# Altium PCB PA_8CH_CTRL.PcbDoc (part 8 of 11)
Units mil, origin at the board's own origin, x right, y up, seen from the top; angles counter-clockwise.
Board outline 15354.33 x 4330.71 mil, 4 copper layers (Component Side, Signal Layer 1, Power Plane, Solder Side), stack 63.149 mil thick; 907 components, 557 nets, 2683 pads, 1897 vias.
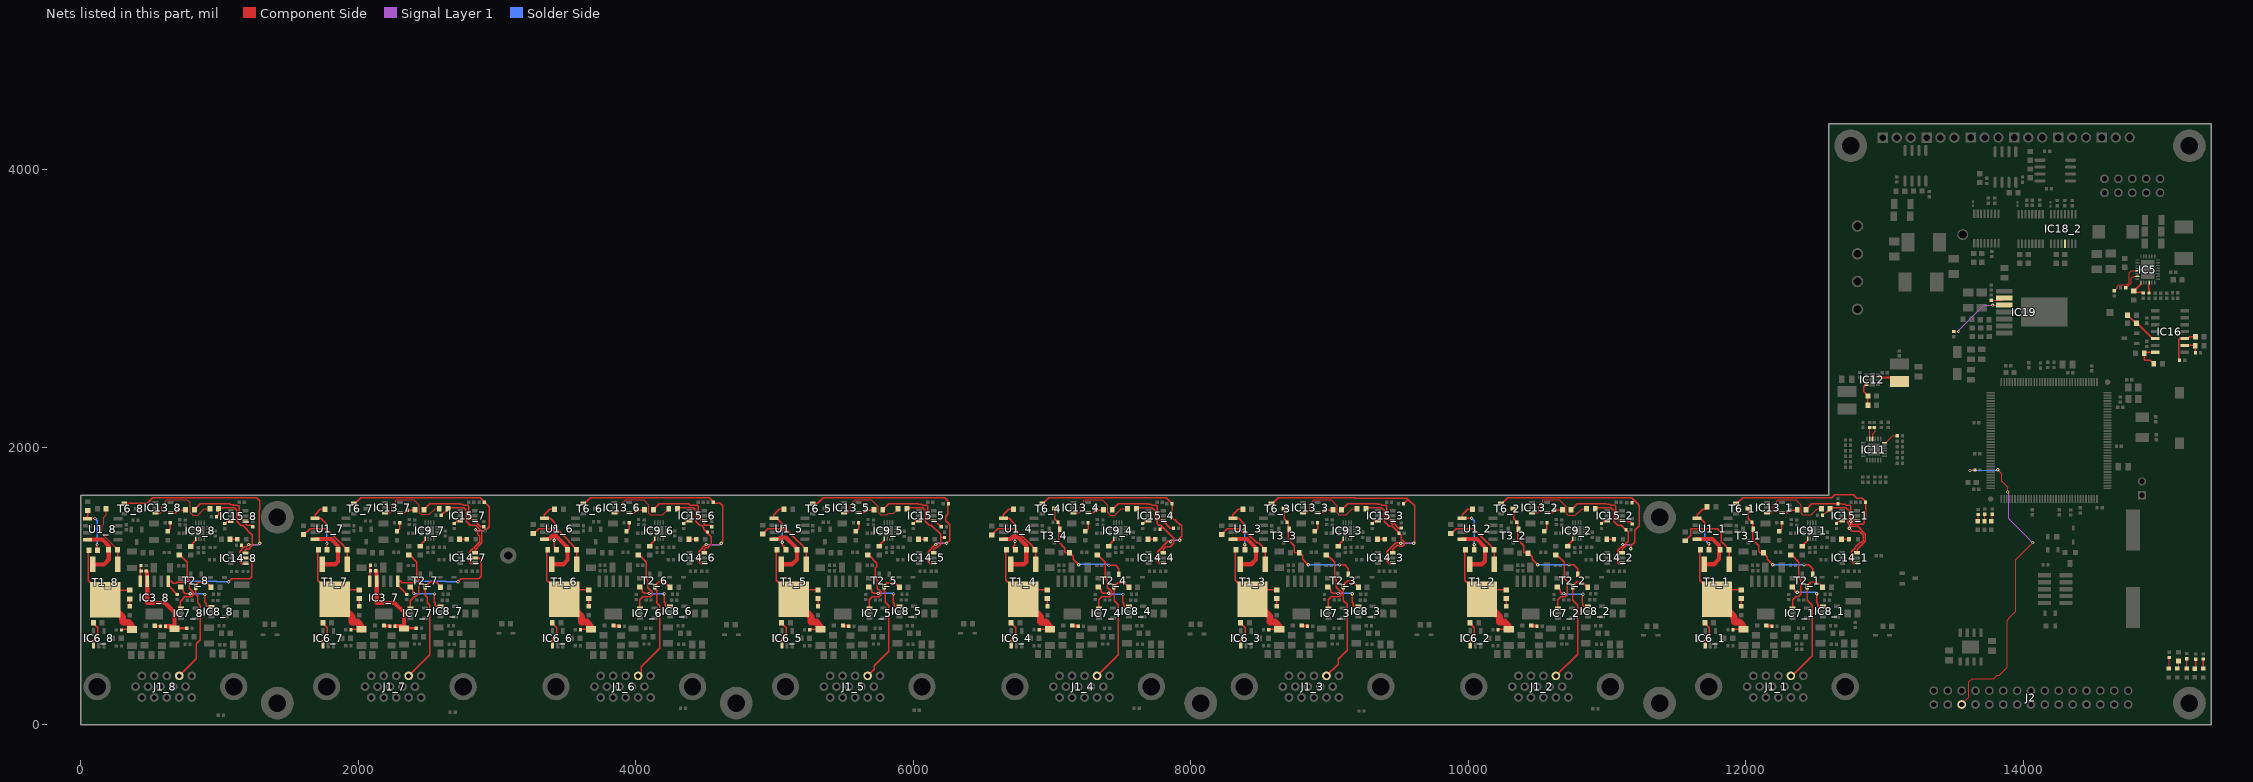
[diagram p10: the nets of this part, all layers, seen from the top]

## Via types
v1: diameter 23.62, hole 11.81, Component Side to Solder Side, tented both sides, 1569 vias
v2: diameter 23.62, hole 11.81, Component Side to Solder Side, 328 vias

## Nets (pads, with @x,y where several pads share a name; then routed paths per layer and width w, separated by ;. In a path a pad name is that pad's centre, name@x,y a point inside that pad or via, vN(x,y) a via of type N, cw(c..) or ccw(c..) an arc to the next point about the centre after c; other vN are vias at no path point) (continued)
NetIC3_7_1: IC3_7.1 IC14_7.5 R51_7.2 | length 918.4
  Component Side w10: R51_7.2@2349.54,940.65 2283.46,1006.72 IC3_7.1@2283.46,1035.67 2304.54,1035.67 2315.02,1025.19 2395.19,1025.19 2405.15,1035.14 v1(2411.54,1035.14) ; v1(2718.54,1032.14) 2740.23,1053.83 2870.15,1053.83 2885.86,1069.53 2885.86,1184.83 2867.54,1203.14 IC14_7.5@2840.69,1203.14
  Solder Side w10: v1@2411.54,1036.14 2630.54,1036.14 2634.54,1032.14 v1(2718.54,1032.14)
NetIC3_7_4: IC3_7.4 R10_7.2 R11_7.1 R39_7.2 R49_7.2 | length 737.7
  Component Side w20: R39_7.2@2329.13,694.13 2332.14,697.14 R49_7.2@2418.04,697.14
  Component Side w30: R10_7.2@2126.18,1110.47 2131.89,1104.76 2131.89,1037.24 IC3_7.4@2133.46,1035.67 2133.46,879.14 2262.54,879.14 2329.13,812.55 R39_7.2@2329.13,694.13 2311.42,711.85 R11_7.1@2264.96,711.85
NetIC3_7_5: IC3_7.5 R10_7.1 R13_7.2 | length 116.1
  Component Side w10: IC3_7.5@2083.46,1035.67 2083.46,1145.12 R13_7.2@2088.19,1149.84
NetIC3_8_1: IC3_8.1 IC14_8.5 R51_8.2 | length 921.6
  Component Side w10: R51_8.2@696,939.5 629.92,1005.58 IC3_8.1@629.92,1034.53 651,1034.53 665.34,1020.19 687.45,1020.19 693.9,1026.64 744.24,1026.64 751.6,1034 v1(758,1034) ; v1(1065,1031) 1086.69,1052.69 1216.61,1052.69 1232.31,1068.39 1232.31,1183.69 1214,1202 IC14_8.5@1187.15,1202
  Solder Side w10: v1@758,1035 977,1035 981,1031 v1(1065,1031)
NetIC3_8_4: IC3_8.4 R10_8.2 R11_8.1 R39_8.2 R49_8.2 | length 737.7
  Component Side w20: R39_8.2@675.59,692.99 678.6,696 R49_8.2@764.5,696
  Component Side w30: R10_8.2@472.64,1109.33 478.35,1103.62 478.35,1036.1 IC3_8.4@479.92,1034.53 479.92,878 609,878 675.59,811.41 R39_8.2@675.59,692.99 657.87,710.71 R11_8.1@611.42,710.71
NetIC3_8_5: IC3_8.5 R10_8.1 R13_8.2 | length 116.1
  Component Side w10: IC3_8.5@429.92,1034.53 429.92,1143.98 R13_8.2@434.65,1148.7
NetIC5_5: IC5.5 R14.1 | length 274.6
  Component Side w6: R14.1@14655.51,3128.74 14675.2,3148.43 14675.2,3161.8 14686.21,3172.81 14747.61,3172.81 14763.78,3188.98 14763.78,3257.96 14778.24,3272.42 14795.48,3272.42 14796.13,3271.76 IC5.5@14822.06,3271.76
NetIC5_7: IC5.7 R18.2 | length 135.6
  Component Side w6: R18.2@14738.36,3151.61 14743.38,3151.61 14778.86,3187.08 14778.86,3218.61 14791.05,3230.8 14795.48,3230.8 14797.08,3232.39 IC5.7@14822.06,3232.39
NetIC5_9: IC5.9 R16.2 R33.2 | length 151.8
  Component Side w10: R33.2@14793.86,3131.1 14806.17,3118.8 14856.31,3118.8 14856.74,3119.23 R16.2@14863.86,3112.11 ; R33.2@14802.86,3132.1 14847.65,3176.89 IC5.9@14847.65,3187.12
NetIC5_12: IC5.12 R19.2 | length 77.9
  Component Side w10: R19.2@14905.86,3112.11 14906.7,3112.95 14906.7,3139.5 14903.57,3142.63 14903.57,3166.61 14906.7,3169.73 IC5.12@14906.7,3187.12
NetIC6_1_1: IC6_1.1 R45_1.1 | length 188.5
  Component Side w10: R45_1.1@11705.12,736.46 11705.12,732.51 11737.17,700.46 11737.17,647.14 11706.77,616.74 IC6_1.1@11706.77,573.82
NetIC6_2_1: IC6_2.1 R45_2.1 | length 188.5
  Component Side w10: R45_2.1@10012.2,736.46 10012.2,732.51 10044.26,700.46 10044.26,647.14 10013.86,616.74 IC6_2.1@10013.86,573.82
NetIC6_3_1: IC6_3.1 R45_3.1 | length 188.5
  Component Side w10: R45_3.1@8358.66,736.46 8358.66,732.51 8390.72,700.46 8390.72,647.14 8360.31,616.74 IC6_3.1@8360.31,573.82
NetIC6_4_1: IC6_4.1 R45_4.1 | length 188.5
  Component Side w10: R45_4.1@6705.12,736.46 6705.12,732.51 6737.17,700.46 6737.17,647.14 6706.77,616.74 IC6_4.1@6706.77,573.82
NetIC6_5_1: IC6_5.1 R45_5.1 | length 188.5
  Component Side w10: R45_5.1@5051.57,736.46 5051.57,732.51 5083.63,700.46 5083.63,647.14 5053.23,616.74 IC6_5.1@5053.23,573.82
NetIC6_6_1: IC6_6.1 R45_6.1 | length 188.5
  Component Side w10: R45_6.1@3398.03,736.46 3398.03,732.51 3430.09,700.46 3430.09,647.14 3399.69,616.74 IC6_6.1@3399.69,573.82
NetIC6_7_1: IC6_7.1 R45_7.1 | length 188.5
  Component Side w10: R45_7.1@1744.49,736.46 1744.49,732.51 1776.54,700.46 1776.54,647.14 1746.14,616.74 IC6_7.1@1746.14,573.82
NetIC6_8_1: IC6_8.1 R45_8.1 | length 188.5
  Component Side w10: R45_8.1@90.94,735.31 90.94,731.37 123,699.32 123,646 92.6,615.6 IC6_8.1@92.6,572.68
NetIC7_1_1: IC7_1.1 R53_1.1 | length 443.7
  Component Side w10: R53_1.1@12331.17,1224.65 12382.98,1172.84 12382.98,1060.05 12389.42,1053.61 12394.81,1048.22 12394.81,941.24 12377.76,924.19 12358.96,924.19 12337.38,902.61 12337.38,843.02 IC7_1.1@12337.99,842.4
NetIC7_2_1: IC7_2.1 R53_2.1 | length 459.8
  Component Side w10: R53_2.1@10638.26,1224.65 10690.06,1172.84 10690.06,1058.2 10711.81,1036.45 10711.81,937.55 10698.45,924.19 10666.05,924.19 10644.46,902.61 10644.46,843.02 IC7_2.1@10645.08,842.4
NetIC7_3_1: IC7_3.1 R53_3.1 | length 496
  Component Side w10: R53_3.1@8984.72,1224.65 9036.52,1172.84 9036.52,1056.6 9048.53,1044.59 9048.53,991.73 9083.81,956.45 9083.81,937.55 9070.45,924.19 9012.5,924.19 8990.92,902.61 8990.92,843.02 IC7_3.1@8991.54,842.4
NetIC7_4_1: IC7_4.1 R53_4.1 | length 496.1
  Component Side w10: R53_4.1@7331.17,1224.65 7382.98,1172.84 7382.98,1056.6 7396.81,1042.76 7396.81,993.07 7430.81,959.07 7430.81,938.55 7417.45,925.19 7359.96,925.19 7337.38,902.61 7337.38,843.02 IC7_4.1@7337.99,842.4
NetIC7_5_1: IC7_5.1 R53_5.1 | length 493.8
  Component Side w10: R53_5.1@5677.63,1224.65 5736,1166.28 5736,1141.32 5726.82,1132.14 5726.82,1059.21 5741.44,1044.59 5741.44,984.82 5769.81,956.45 5769.81,937.55 5756.45,924.19 5705.42,924.19 5683.83,902.61 5683.83,843.02 IC7_5.1@5684.45,842.4
NetIC7_6_1: IC7_6.1 R53_6.1 | length 489.8
  Component Side w10: R53_6.1@4024.09,1224.65 4075.89,1172.84 4075.89,1056.6 4087.9,1044.59 4087.9,987.36 4118.81,956.45 4118.81,937.55 4104.46,923.2 4050.89,923.2 4030.29,902.61 4030.29,843.02 IC7_6.1@4030.91,842.4
NetIC7_7_1: IC7_7.1 R53_7.1 | length 438.1
  Component Side w10: R53_7.1@2370.54,1224.65 2422.35,1172.84 2422.35,1056.6 2434.35,1044.59 2434.35,948.09 2409.46,923.2 2404.07,923.2 2374.19,893.33 2374.19,845.57 IC7_7.1@2377.36,842.4
NetIC7_8_1: IC7_8.1 R53_8.1 | length 490.1
  Component Side w10: R53_8.1@717,1223.5 768.8,1171.7 768.8,1055.46 780.81,1043.45 780.81,985.45 811.81,954.45 811.81,935.55 798.45,922.19 750.65,922.19 719.2,890.75 719.2,886.52 718.81,886.13 718.81,846.27 IC7_8.1@723.82,841.26
NetIC8_1_1: IC8_1.1 R55_1.1 | length 333.4
  Component Side w10: R55_1.1@12334.17,993.5 12354.17,973.5 12354.17,961.14 12360.31,955 v1(12370,955) ; v1(12512,945) 12512,883.42 12519.5,875.92 12519.5,855.89 12520.85,854.54 IC8_1.1@12554.99,854.54
  Solder Side w10: v1(12370,955) 12502,955 v1(12512,945)
NetIC8_2_1: IC8_2.1 R55_2.1 | length 383.9
  Component Side w10: R55_2.1@10641.26,993.5 10661.26,973.5 10661.26,961.14 10680.4,942 10685.4,947 v1(10689,947) ; v1(10827,941) 10827,935.88 10819.45,928.33 10819.45,883.05 10826.5,876 10826.5,856.34 10828.29,854.54 IC8_2.1@10862.08,854.54
  Solder Side w10: v1(10689,947) 10675.02,947 10670.02,942 10826,942 v1(10827,941)
NetIC8_3_1: IC8_3.1 R55_3.1 | length 331.9
  Component Side w10: R55_3.1@8987.72,993.5 9007.72,973.5 9007.72,961.14 9021.86,947 v1(9061,947) ; v1(9163,945) 9163,884.55 9170.55,876.99 9170.55,858.39 9174.39,854.54 IC8_3.1@9208.54,854.54
  Solder Side w10: v1(9061,947) 9161,947 v1(9163,945)
NetIC8_4_1: IC8_4.1 R55_4.1 | length 334.2
  Component Side w10: R55_4.1@7334.17,993.5 7354.17,973.5 7354.17,961.14 7367.31,948 v1(7408,948) ; v1(7511,940) 7511,884.33 7517.01,878.32 7517.01,858.39 7520.85,854.54 IC8_4.1@7554.99,854.54
  Solder Side w10: v1@7405,951 v1(7408,948) 7416,940 v1(7511,940)
NetIC8_5_1: IC8_5.1 R55_5.1 | length 332
  Component Side w10: R55_5.1@5680.63,993.5 5700.63,973.5 5700.63,961.14 5714.77,947 v1(5747,947) ; v1(5857,944) 5857,883.46 5863.46,876.99 5863.46,858.39 5867.31,854.54 IC8_5.1@5901.45,854.54
  Solder Side w10: v1(5747,947) 5854,947 v1(5857,944)
NetIC8_6_1: IC8_6.1 R55_6.1 | length 331.3
  Component Side w10: R55_6.1@4027.09,993.5 4047.09,973.5 4047.09,961.14 4061.23,947 v1(4096,947) ; v1(4204.24,944.07) 4204.24,882.68 4210.92,875.99 4210.92,857.39 4213.76,854.54 IC8_6.1@4247.91,854.54
  Solder Side w10: v1@4096,944.07 v1(4204.24,944.07)
NetIC8_7_1: IC8_7.1 R55_7.1 | length 335.4
  Component Side w10: R55_7.1@2373.54,993.5 2393.54,973.5 2393.54,961.14 2401,953.69 v1(2401,947) ; v1(2549,944) 2549,884.37 2556.38,876.99 2556.38,858.39 2560.22,854.54 IC8_7.1@2594.36,854.54
  Solder Side w10: v1(2401,947) 2404,944 v1(2549,944)
NetIC8_8_1: IC8_8.1 R55_8.1 | length 328.9
  Component Side w10: R55_8.1@720,992.36 740,972.36 740,960 755,945 v1(789,945) ; v1(894,940) 894,884.69 902.83,875.85 902.83,857.24 906.68,853.4 IC8_8.1@940.82,853.4
  Solder Side w10: v1(789,945) 889,945 v1(894,940)
NetIC9_1_13: IC9_1.13 R56_1.1 | length 73.7
  Component Side w10: R56_1.1@12400.17,1286.64 12444.65,1331.11 IC9_1.13@12444.65,1341.93
NetIC9_2_13: IC9_2.13 R56_2.1 | length 73.7
  Component Side w10: R56_2.1@10707.26,1286.64 10751.73,1331.11 IC9_2.13@10751.73,1341.93
NetIC9_3_13: IC9_3.13 R56_3.1 | length 73.7
  Component Side w10: R56_3.1@9053.72,1286.64 9098.19,1331.11 IC9_3.13@9098.19,1341.93
NetIC9_4_13: IC9_4.13 R56_4.1 | length 73.7
  Component Side w10: R56_4.1@7400.17,1286.64 7444.65,1331.11 IC9_4.13@7444.65,1341.93
NetIC9_5_13: IC9_5.13 R56_5.1 | length 73.7
  Component Side w10: R56_5.1@5746.63,1286.64 5791.1,1331.11 IC9_5.13@5791.1,1341.93
NetIC9_6_13: IC9_6.13 R56_6.1 | length 73.7
  Component Side w10: R56_6.1@4093.09,1286.64 4137.56,1331.11 IC9_6.13@4137.56,1341.93
NetIC9_7_13: IC9_7.13 R56_7.1 | length 73.7
  Component Side w10: R56_7.1@2439.54,1286.64 2484.02,1331.11 IC9_7.13@2484.02,1341.93
NetIC9_8_13: IC9_8.13 R56_8.1 | length 73.7
  Component Side w10: R56_8.1@786,1285.5 830.47,1329.97 IC9_8.13@830.47,1340.79
NetIC11_18: IC11.18 R66.2 | length 112.1
  Component Side w6: IC11.18@12999.65,2033.57 13008.57,2033.57 13057.78,2082.78 R66.2@13091.38,2082.78
NetIC11_22: IC11.22 R69.2 | length 90
  Component Side w6: IC11.22@12913.03,2061.13 12913.03,2096.03 12932.72,2115.72 R69.2@12932.72,2143.02
NetIC11_23: IC11.23 R67.2 | length 81.9
  Component Side w6: IC11.23@12893.35,2061.13 R67.2@12893.35,2143.02
NetIC12_5: IC12.5 R81.1 R82.2 | length 162.3
  Component Side w12: IC12.5@12869.86,2449 12862,2449 12851,2438 12851,2402 R81.1@12875,2378 ; R82.2@12879.7,2301.36 R81.1@12879.7,2370.26
NetIC12_9: IC12.9 L2.1 | length 101.1
  Component Side w12: IC12.9@12952.54,2508.06 12970.06,2508.06 12974.11,2504 L2.1@13052,2504
NetIC13_1_3: IC13_1.3 R54_1.2 | length 555.9
  Component Side w6: IC13_1.3@12153.46,1527.91 12184.91,1527.91 12199,1542 12199,1579 12207.19,1587.19 12211.62,1587.19 12223.81,1599.38 12223.81,1611.97 12234.38,1622.54 12360.46,1622.54 12401,1582 12401,1524 12410,1515 12470,1515 12513.14,1558.14 R54_1.2@12544.68,1558.14
NetIC13_1_4: IC13_1.4 R86_1.1 R87_1.2 | length 120.1
  Component Side w10: IC13_1.4@12259.76,1527.91 12296.98,1527.91 R86_1.1@12315.38,1546.31 12366.85,1546.31 R87_1.2@12370.68,1550.14
NetIC13_2_3: IC13_2.3 R54_2.2 | length 556.8
  Component Side w6: IC13_2.3@10460.55,1527.91 10500.91,1527.91 10508,1535 10508,1577 10536.2,1605.2 10536.2,1617.27 10541.47,1622.54 10655.49,1622.54 10704.48,1573.55 10704.48,1525.52 10720,1510 10772,1510 10820.14,1558.14 R54_2.2@10851.76,1558.14
NetIC13_2_4: IC13_2.4 R86_2.1 R87_2.2 | length 120.1
  Component Side w10: IC13_2.4@10566.85,1527.91 10604.07,1527.91 R86_2.1@10622.47,1546.31 10673.93,1546.31 R87_2.2@10677.76,1550.14
NetIC13_3_3: IC13_3.3 R54_3.2 | length 545.7
  Component Side w6: IC13_3.3@8807.01,1527.91 8834.91,1527.91 8857,1550 8857,1581.57 8874.81,1599.38 8874.81,1609.43 8887.93,1622.54 9011.46,1622.54 9057,1577 9057,1527 9068,1516 9121,1516 9163.14,1558.14 R54_3.2@9198.22,1558.14
NetIC13_3_4: IC13_3.4 R86_3.1 R87_3.2 | length 120.1
  Component Side w10: IC13_3.4@8913.31,1527.91 8950.53,1527.91 R86_3.1@8968.93,1546.31 9020.39,1546.31 R87_3.2@9024.22,1550.14
NetIC13_4_3: IC13_4.3 R54_4.2 | length 560.7
  Component Side w6: IC13_4.3@7153.46,1527.91 7196.91,1527.91 7205,1536 7205,1582.57 7229.11,1606.68 7229.11,1617.27 7234.38,1622.54 7362.46,1622.54 7402,1583 7402,1530 7421,1511 7452,1511 7499.14,1558.14 R54_4.2@7544.68,1558.14
NetIC13_4_4: IC13_4.4 R86_4.1 R87_4.2 | length 120.1
  Component Side w10: IC13_4.4@7259.76,1527.91 7296.98,1527.91 R86_4.1@7315.38,1546.31 7366.85,1546.31 R87_4.2@7370.68,1550.14
NetIC13_5_3: IC13_5.3 R54_5.2 | length 546.7
  Component Side w6: IC13_5.3@5499.92,1527.91 5532.91,1527.91 5547,1542 5547,1578.57 5567.81,1599.38 5567.81,1609.52 5580.84,1622.54 5697.46,1622.54 5749,1571 5749,1532 5753.41,1527.59 5753.41,1526.73 5766.14,1514 5812,1514 5822,1524 5861,1524 5891.13,1554.13 R54_5.2@5891.13,1558.14
NetIC13_5_4: IC13_5.4 R86_5.1 R87_5.2 | length 120.1
  Component Side w10: IC13_5.4@5606.22,1527.91 5643.44,1527.91 R86_5.1@5661.84,1546.31 5713.3,1546.31 R87_5.2@5717.13,1550.14
NetIC13_6_3: IC13_6.3 R54_6.2 | length 552.1
  Component Side w6: IC13_6.3@3846.38,1527.91 3875.91,1527.91 3898.5,1550.5 3898.5,1584.07 3902.81,1588.38 3902.81,1598.06 3927.3,1622.54 4056.46,1622.54 4095,1584 4095,1526 4106,1515 4168.2,1515 4168.31,1515.11 4194.56,1515.11 R54_6.2@4237.59,1558.14
NetIC13_6_4: IC13_6.4 R86_6.1 R87_6.2 | length 120.1
  Component Side w10: IC13_6.4@3952.68,1527.91 3989.9,1527.91 R86_6.1@4008.3,1546.31 4059.76,1546.31 R87_6.2@4063.59,1550.14
NetIC13_7_3: IC13_7.3 R54_7.2 | length 552
  Component Side w6: IC13_7.3@2192.83,1527.91 2228.91,1527.91 2240,1539 2240,1573.17 2268.48,1601.65 2268.48,1617.27 2273.75,1622.54 2401.46,1622.54 2440,1584 2440,1530 2453,1517 2513,1517 2554.14,1558.14 R54_7.2@2584.05,1558.14
NetIC13_7_4: IC13_7.4 R86_7.1 R87_7.2 | length 120.1
  Component Side w10: IC13_7.4@2299.13,1527.91 2336.35,1527.91 R86_7.1@2354.75,1546.31 2406.22,1546.31 R87_7.2@2410.05,1550.14
NetIC13_8_3: IC13_8.3 R54_8.2 | length 568.6
  Component Side w6: IC13_8.3@539.29,1526.77 574.77,1526.77 585,1537 585,1570.57 607.39,1592.95 607.39,1608.58 620.21,1621.4 768.6,1621.4 789,1601 789,1529.37 798.05,1520.31 799.69,1520.31 808,1512 845,1512 890,1557 R54_8.2@930.5,1557
  Component Side w10: R54_8.2@930.5,1562 R54_8.2@934,1562
NetIC13_8_4: IC13_8.4 R86_8.1 R87_8.2 | length 120.1
  Component Side w10: IC13_8.4@645.59,1526.77 682.81,1526.77 R86_8.1@701.21,1545.17 752.67,1545.17 R87_8.2@756.5,1549
NetIC14_1_4: IC14_1.4 R52_1.2 T6_1.1 | length 1698.6
  Component Side w10: T6_1.1@11921.46,1589.61 T6_1.1@11928.54,1596.69 11936.69,1596.69 11976.54,1636.54 12620.8,1636.54 12642.06,1657.81 12775.49,1657.81 12798.88,1634.42 12840.58,1634.42 12863.1,1611.9 12863.1,1496.81 12854.33,1488.04 12854.33,1456.69 12843.69,1446.05 12772.23,1446.05 12762.14,1456.13 ; v2(12746.06,1417.32) 12767.32,1396.07 12816.53,1396.07 12844.49,1368.11 12844.49,1328.74 12834.82,1319.07 12834.82,1318.28 12828.38,1311.83 12822.82,1311.83 12760.17,1249.19 12760.17,1241.31 12759.17,1240.31 12759.17,1179.33 12776.17,1162.33 12797.91,1162.33 IC14_1.4@12801.32,1165.74
  Signal Layer 1 w10: v2(12746.06,1417.32) 12755.88,1427.14 v2(12755.88,1466.53)
NetIC14_1_6: IC14_1.6 R32_1.2 R54_1.1 | length 632.3
  Component Side w6: R32_1.2@12553.5,1510 12555,1510 12579.07,1534.07
  Component Side w10: 12579.07,1534.07 12583.6,1534.07 R54_1.1@12607.67,1558.14 12613.67,1564.14 12638.17,1564.14 12640.5,1566.47 12720.03,1566.47 12740.17,1546.33 12740.17,1489.35 12733.07,1482.24 12733.07,1456.9 12749.84,1440.13 12755.51,1440.13 12765.6,1430.05 12805.18,1430.05 12860.49,1374.74 12860.49,1322.11 12850.82,1312.44 12850.82,1311.65 12835,1295.83 12832.6,1295.83 12801.32,1264.56 IC14_1.6@12801.32,1240.54
NetIC14_2_4: IC14_2.4 R52_2.2 T6_2.1 | length 1673.6
  Component Side w10: T6_2.1@10228.54,1589.61 T6_2.1@10235.63,1596.69 10244.69,1596.69 10284.54,1636.54 11178.42,1636.54 11199.96,1615 ; IC14_2.4@11108.41,1165.74 11105,1162.33 11083.26,1162.33 11076.74,1168.85 11076.74,1256.91 v2@11115.62,1295.79 ; v2(11171.24,1269.68) 11171.24,1289.35 11198,1316.11 11198,1403.12 11208.88,1414 11211.63,1414 11231,1433.37 11231,1577.74 11227.19,1581.55 11227.19,1587.77 11199.96,1615 ; R52_2.2@11178.5,1600 11193.5,1615 11199.96,1615
  Signal Layer 1 w10: v2(11112.2,1299.21) 11161.39,1299.21 11171.24,1289.37 v2(11171.24,1269.68)
NetIC14_2_6: IC14_2.6 R32_2.2 R54_2.1 | length 527.4
  Component Side w10: R54_2.1@10914.76,1558.14 10920.76,1564.14 10945.26,1564.14 10947.59,1566.47 11027.12,1566.47 11047.26,1546.33 11047.26,1468.14 11076.26,1439.14 11103.17,1439.14 11151.09,1391.23 11151.09,1324.12 11135.02,1308.05 11135.02,1289.76 11121.65,1276.4 11120.25,1276.4 11108.41,1264.56 IC14_2.6@11108.41,1240.54
NetIC14_3_4: IC14_3.4 R52_3.2 T6_3.1 | length 1739.8
  Component Side w10: T6_3.1@8575,1589.61 T6_3.1@8582.09,1596.69 8591.69,1596.69 8631.54,1636.54 9183.31,1636.54 9186,1633.86 9557.09,1633.86 9567.97,1622.97 ; IC14_3.4@9454.87,1165.74 9451.46,1162.33 9429.72,1162.33 9412.72,1179.33 9412.72,1240.31 9413.72,1241.31 9413.72,1249.19 9476.36,1311.83 9511.25,1311.83 v2(9514.03,1309.06) ; R52_3.2@9533.5,1595 9535,1595 9562.97,1622.97 9567.97,1622.97 ; v2(9606.3,1309.06) 9612.81,1315.57 9612.81,1578.13 9567.97,1622.97
  Signal Layer 1 w10: v2(9514.03,1309.06) v2(9606.3,1309.06)
NetIC14_3_6: IC14_3.6 R32_3.2 R54_3.1 | length 590.5
  Component Side w10: R54_3.1@9261.21,1558.14 9267.21,1564.14 9291.72,1564.14 9294.05,1566.47 9373.57,1566.47 9393.72,1546.33 9393.72,1468.14 9431.01,1430.85 9451.02,1430.85 9516.09,1365.78 9516.09,1339.26 9536.84,1318.5 9536.84,1299.61 9523.48,1286.24 9504.58,1286.24 9494.99,1295.83 9486.14,1295.83 9454.87,1264.56 IC14_3.6@9454.87,1240.54
NetIC14_4_4: IC14_4.4 R52_4.2 T6_4.1 | length 1615.5
  Component Side w10: T6_4.1@6921.46,1589.61 T6_4.1@6928.54,1596.69 6937.69,1596.69 6977.54,1636.54 7824.8,1636.54 7867.19,1594.16 7867.19,1490.55 7880.55,1477.19 7893.01,1477.19 7893.01,1470.74 7923.23,1440.53 7928.18,1440.53 7934.62,1434.08 7934.62,1359.82 7920,1345.2 v2(7920,1330) ; IC14_4.4@7801.32,1165.74 7797.91,1162.33 7776.17,1162.33 7759.17,1179.33 7759.17,1240.31 7760.17,1241.31 7760.17,1249.19 7822.82,1311.83 7828.38,1311.83 7834.82,1318.28 7834.82,1328.74 7842.66,1328.74 7852.51,1318.89 v2(7854.31,1318.89)
  Signal Layer 1 w10: v2@7854.31,1328.74 7855.57,1330 v2(7920,1330)
NetIC14_4_6: IC14_4.6 R32_4.2 R54_4.1 | length 591
  Component Side w10: R54_4.1@7607.67,1558.14 7613.67,1564.14 7638.17,1564.14 7640.5,1566.47 7720.03,1566.47 7740.17,1546.33 7740.17,1485 7759.03,1466.14 7759.03,1449.28 7769.17,1439.14 7784.06,1439.14 7798.2,1425 ; R32_4.2@7778.5,1410 7793.5,1425 7798.2,1425 ; IC14_4.6@7801.32,1240.54 7801.32,1264.56 7819.98,1283.21 7850.89,1283.21 7877.13,1309.45 7877.13,1346.08 7798.2,1425
NetIC14_5_4: IC14_5.4 R52_5.2 T6_5.1 | length 1619.9
  Component Side w10: T6_5.1@5267.91,1589.61 T6_5.1@5275,1596.69 5310.09,1596.69 5349.94,1636.54 6227.63,1636.54 6250,1614.17 6250,1516.26 6234.69,1500.95 6234.69,1470.63 6261.39,1443.93 6261.39,1330.29 v2(6240.16,1309.06) ; IC14_5.4@6147.78,1165.74 6144.37,1162.33 6122.63,1162.33 6105.63,1179.33 6105.63,1240.31 6106.63,1241.31 6106.63,1249.19 v2@6159.04,1301.59
  Signal Layer 1 w10: v2(6161.42,1299.21) 6171.26,1309.06 v2(6240.16,1309.06)
NetIC14_5_6: IC14_5.6 R32_5.2 R54_5.1 | length 560.1
  Component Side w6: 6197.28,1350 6198.77,1351.5 R32_5.2@6225,1351.5
  Component Side w10: R54_5.1@5954.13,1558.14 5960.13,1564.14 5984.63,1564.14 5986.96,1566.47 6066.49,1566.47 6086.63,1546.33 6086.63,1468.14 6115.63,1439.14 6130.52,1439.14 6197.28,1372.38 6197.28,1350 6197.28,1302.81 6170.87,1276.4 6159.62,1276.4 6147.78,1264.56 IC14_5.6@6147.78,1240.54
NetIC14_6_4: IC14_6.4 R52_6.2 T6_6.1 | length 1637.6
  Component Side w10: T6_6.1@3614.37,1589.61 T6_6.1@3621.46,1596.69 3630.69,1596.69 3670.54,1636.54 4529.13,1636.54 4543.91,1621.76 4543.91,1620.77 4568.87,1595.81 4610.45,1595.81 4625.98,1580.28 4625.98,1318.9 v2(4616.14,1309.06) ; IC14_6.4@4494.24,1165.74 4490.83,1162.33 4469.09,1162.33 4452.09,1179.33 4452.09,1240.31 4453.09,1241.31 4453.09,1249.19 v2@4505.49,1301.59
  Signal Layer 1 w10: v2(4507.87,1299.21) 4606.3,1299.21 v2(4616.14,1309.06)
NetIC14_6_6: IC14_6.6 R32_6.2 R54_6.1 | length 529.8
  Component Side w10: R54_6.1@4300.58,1558.14 4306.58,1564.14 4331.09,1564.14 4333.42,1566.47 4412.94,1566.47 4433.09,1546.33 4433.09,1468.14 4462.09,1439.14 4473.71,1439.14 4478.02,1434.84 4478.02,1434.4 4491.4,1421.01 4491.4,1408.6 4543.73,1356.27 4543.73,1302.82 4517.31,1276.4 4506.08,1276.4 4494.24,1264.56 IC14_6.6@4494.24,1240.54
NetIC14_7_4: IC14_7.4 R52_7.2 T6_7.1 | length 1622.1
  Component Side w10: T6_7.1@1960.83,1589.61 T6_7.1@1967.91,1596.69 1977.69,1596.69 2017.54,1636.54 2879.13,1636.54 2942.91,1572.76 2942.91,1427.17 v2(2913.39,1397.64) ; IC14_7.4@2840.69,1165.74 2837.28,1162.33 2815.54,1162.33 2798.54,1179.33 2798.54,1240.31 2799.54,1241.31 2799.54,1243.63 2809.02,1253.11 2809.02,1256.91 2815.47,1263.35 2819.27,1263.35 2827.71,1271.8 2834.48,1271.8 2840.92,1278.24 2840.92,1285.01 2874.19,1318.28 2874.19,1358.89 2860.57,1372.51 2860.57,1391.39 v2(2844.48,1407.48)
  Signal Layer 1 w10: v2(2844.48,1407.48) 2844.48,1398.59 2845.43,1397.64 v2(2913.39,1397.64)
NetIC14_7_6: IC14_7.6 R32_7.2 R54_7.1 | length 606.5
  Component Side w10: R32_7.2@2598.5,1510 2598.9,1510 R54_7.1@2647.04,1558.14 2653.04,1564.14 2677.54,1564.14 2679.87,1566.47 2759.4,1566.47 2779.54,1546.33 2779.54,1468.14 2808.54,1439.14 2845.08,1439.14 2890.19,1394.03 2890.19,1311.65 2856.92,1278.38 2856.92,1271.61 2841.1,1255.8 2840.69,1255.8 IC14_7.6@2840.69,1240.54
NetIC14_8_4: IC14_8.4 R52_8.2 T6_8.1 | length 1633.1